# Altium PCB USBC_PD_Development_PCB.PcbDoc (part 3 of 3)
Units mm, origin at the board's own origin, x right, y up, seen from the top; angles counter-clockwise.
Board outline 127.25 x 73.25 mm, 4 copper layers (Top Layer, Layer 1, Layer 2, Bottom Layer), stack 0.603 mm thick; 169 components, 114 nets, 547 pads, 305 vias.
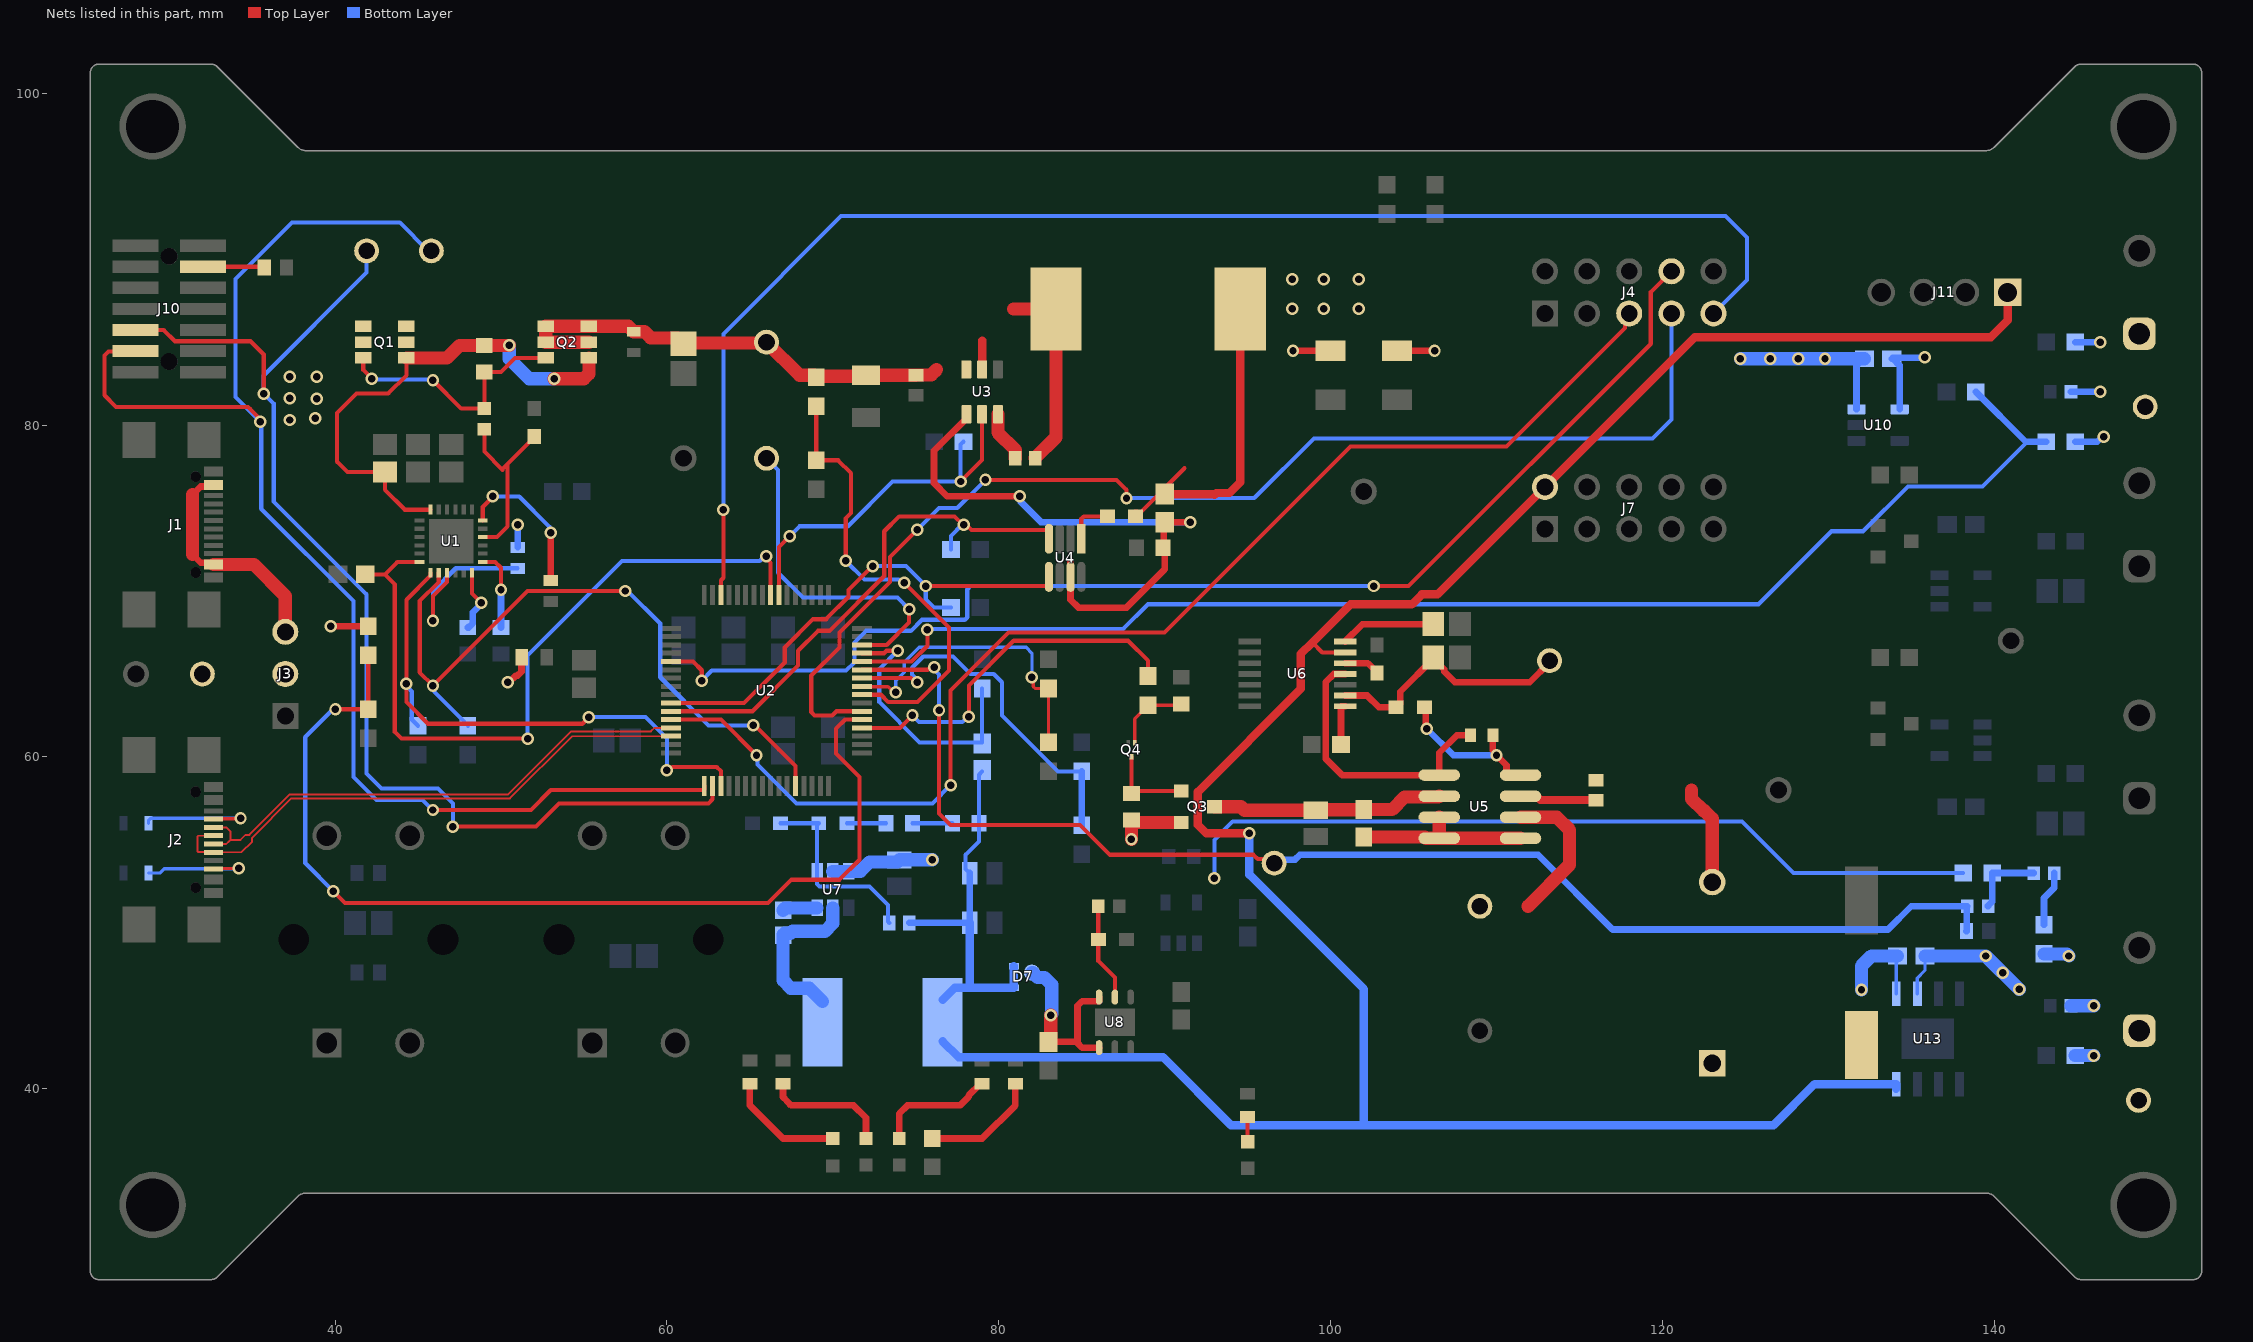
[diagram p5: the nets of this part, all layers, seen from the top]

## Via types
v1: diameter 0.75, hole 0.45, Top Layer to Bottom Layer, tented both sides, 301 vias
v2: diameter 0.5, hole 0.2, Top Layer to Bottom Layer, 2 vias
v3: diameter 0.75, hole 0.45, Top Layer to Bottom Layer, tented bottom, 2 vias

## Nets (pads, with @x,y where several pads share a name; then routed paths per layer and width w, separated by ;. In a path a pad name is that pad's centre, name@x,y a point inside that pad or via, vN(x,y) a via of type N, cw(c..) or ccw(c..) an arc to the next point about the centre after c; other vN are vias at no path point) (continued)
NetC15_1: C15.1 U3.6 | length 3.1
  Top Layer w0.8: U3.6@79.95,80.65 79.95,79.55 81,78.5 C15.1@81,78
NetC21_1: C21.1 U5.3 | length 4.6
  Top Layer w0.5: U5.3@111.45,57.635 112.404,57.635 112.639,57.4 C21.1@116,57.4
NetC24_2: C24.2 R66.2 TP3.1 U6.2 | length 15.6
  Top Layer w0.4: U6.2@100.878,63.7 102.2,63.7 102.9,63 R66.2@103.95,63 104,63 104.2,63.2 104.2,63.925 C24.2@106.2,65.925 ; C24.2@106.2,66 C24.2@106.2,65.925 ; TP3.1@113.2,65.8 113.2,65.7 112,64.5 107.501,64.5 106.85,65.151 106.85,65.275 C24.2@106.2,65.925
NetC25_2: C25.2 U6.7 | length 5.8
  Top Layer w0.4: U6.7@100.878,66.95 101.928,68 C25.2@106.2,68
NetC26_1: C26.1 L3.1 U7.5 | length 9.9
  Bottom Layer w0.8: C26.1@67,49.25 67,46.527 67.469,46.059 68.574,46.059 L3.1@69.38,45.252 ; C26.1@67,49.275 67.1,49.375 67.444,49.375 67.569,49.5 69.531,49.5 70,49.969 U7.5@70,50.901
NetC26_2: C26.2 U7.6 | length 2.1
  Bottom Layer w0.8: C26.2@67,50.75 67,50.775 67.126,50.901 U7.6@69.05,50.901
NetC30_2: C30.2 R33.2 R34.1 U7.1 | length 11.9
  Bottom Layer w0.25: R34.1@66.85,56 69.05,56 R33.2@69.15,56 69.05,55.9 69.05,52.346 69.196,52.2 72.2,52.2 73.321,51.079 73.321,50.079 C30.2@73.4,50
NetD2_1: D2.1 R19.1 | length 7.1
  Top Layer w0.4: R19.1@65,40.3 65,39 67,37 D2.1@70,37
NetD3_2: D3.2 R17.1 | length 7.6
  Top Layer w0.4: R17.1@67,40.3 67,39.5 67.25,39.25 67.25,39.234 67.484,39 71.25,39 72,38.25 D3.2@72,37
NetD4_2: D4.2 R18.1 | length 7.3
  Top Layer w0.4: D4.2@74,37 74,38.5 74.5,39 77.674,39 78.184,39.51 78.184,39.584 78.9,40.3 R18.1@79,40.3
NetD5_1: D5.1 R20.1 | length 7.1
  Top Layer w0.4: D5.1@76,37 79,37 81,39 R20.1@81,40.3
NetD6_1: D6.1 L2.1 U5.2 | length 8.9
  Top Layer w0.8: U5.2@111.45,56.365 113.635,56.365 114.4,55.6 114.4,53.5 111.9,51
NetD8_2: D8.2 R35.1 | length 1.5
  Top Layer w0.25: D8.2@95,36.8 R35.1@95,38.3
NetJ2_A5: J2.A5 R10.1 | length 7.4
  Top Layer w0.2: J2.A5@32.68,56.25 32.705,56.275 34.275,56.275 v1(34.3,56.3)
  Bottom Layer w0.2: R10.1@28.75,56 28.75,56.15 28.9,56.3 v1(34.3,56.3)
NetJ2_B5: J2.B5 R11.1 | length 7.1
  Top Layer w0.2: J2.B5@32.68,53.25 32.705,53.275 34.175,53.275 v1(34.2,53.3)
  Bottom Layer w0.2: R11.1@28.75,53 29.44,53 29.69,53.25 34.15,53.25 v1(34.2,53.3)
NetJ10_11: J10.11 R44.1 | length 3.7
  Top Layer w0.25: J10.11@32.035,89.54 35.685,89.54 R44.1@35.725,89.5
NetQ1_3: Q1.3 Q2.3 R1.1 R3.1 | length 15.3
  Top Layer w0.25: Q1.3@41.7,84.05 41.7,83.325 42.2,82.825 v1(42.2,82.8) ; v1(45.9,82.7) 47.6,81 R3.1@49,81 R1.1@49,83.2 50,83.2 50.85,84.05 Q2.3@52.7,84.05
  Bottom Layer w0.25: v1(42.2,82.8) 42.25,82.75 45.85,82.75 v1(45.9,82.7)
NetQ3_1: Q3.1 Q4.3 R28.1 | length 5.3
  Top Layer w0.25: Q4.3@88,60 R28.1@88,57.8 88.15,57.95 Q3.1@91,57.95
NetQ4_1: Q4.1 R29.1 R30.2 | length 4.6
  Top Layer w0.2: Q4.1@88.19,60.86 88.19,62.29 89,63.1 R29.1@89,63.123 90.923,63.123 R30.2@91,63.2
NetR4_1: R4.1 U1.18 | length 9.2
  Top Layer w0.25: U1.18@48.9,74.25 48.9,75.063 49.5,75.663 v1(49.5,75.7)
  Top Layer w0.4: R4.1@53,70.629 v1(53,73.5)
  Bottom Layer w0.25: v1(49.5,75.7) 51.1,75.7 52.904,73.896 52.904,73.596 v1(53,73.5)
NetR7_2: R7.2 U1.9 | length 10.7
  Top Layer w0.25: v1(45.9,68.2) 45.9,69.7 46.75,70.55 U1.9@46.75,71.1
  Bottom Layer w0.25: v1(45.9,68.2) 45.9,70 47.271,71.371 R7.2@51,71.371
NetR8_2: R8.2 U1.12 | length 3.9
  Top Layer w0.25: U1.12@48.25,71.1 48.25,69.85 v1(48.8,69.3)
  Bottom Layer w0.4: R8.2@48,67.8 48.05,67.8 48.3,68.05 48.3,68.705 48.8,69.205 v1(48.8,69.3)
NetR9_2: R9.2 U1.13 | length 4.8
  Top Layer w0.25: U1.13@48.9,71.75 49.65,71.75 50,71.4 v1(50,70.065)
  Bottom Layer w0.4: R9.2@50,67.8 v1(50,70.065)
NetR25_1: R25.1 U6.1 | length 2.5
  Top Layer w0.4: R25.1@100.627,60.75 100.627,63.025 100.651,63.05 U6.1@100.878,63.05
NetR26_2: R26.2 U5.1 U5.7 U5.8 | length 10.8
  Top Layer w0.8: R26.2@102,55.173 105.672,55.173 105.75,55.095 U5.8@106.55,55.095 ; U5.7@106.55,56.365 U5.8@106.55,55.095 ; U5.1@111.45,55.095 U5.8@106.55,55.095
NetR31_1: R31.1 R32.2 | length 2.4
  Bottom Layer w0.25: R32.2@74.8,56 R31.1@77.2,56
NetR32_1: R32.1 R33.1 | length 2.4
  Bottom Layer w0.25: R33.1@70.85,56 R32.1@73.2,56
NetR36_1: R36.1 R37.1 U8.5 | length 5.9
  Top Layer w0.25: R37.1@86,51 R36.1@86,49 86,47.7 87,46.7 U8.5@87,45.525
NetR45_1: R45.1 R52.1 R53.1 | length 4.6
  Bottom Layer w0.4: R52.1@139.627,51 139.627,51.027 139.877,51.277 R45.1@139.877,53 R53.1@142.373,53
NetR53_2: R53.2 R61.2 | length 3.4
  Bottom Layer w0.4: R61.2@143,49.877 143,51.5 143.627,52.127 R53.2@143.627,53
NetR68_1: R68.1 U6.5 | length 2.2
  Top Layer w0.4: U6.5@100.878,65.65 102.25,65.65 102.8,65.1 R68.1@102.8,65.05
PD_SCL: R15.1 U1.7 U2.51 | length 34.4
  Top Layer w0.25: U1.7@45.75,71.1 45.75,70.925 44.3,69.475 v1(44.3,64.4) 44.3,63.3 45.6,62 54.9,62 v1(55.3,62.4) ; v1(60,59.2) 60.135,59.2 60.335,59.4 63,59.4 63.25,59.15 U2.51@63.25,58.25
  Bottom Layer w0.25: v1(44.3,64.4) 44.3,64.265 44.619,63.946 44.619,62.258 R15.1@45,61.877 ; v1(55.3,62.4) 58.7,62.4 60,61.1 v1(60,59.2)
PD_SDA: R16.1 U1.8 U2.60 | length 42.6
  Top Layer w0.25: U1.8@46.25,71.1 46.25,70.545 45.1,69.395 45.1,65.1 v1(45.9,64.3) 51.6,70 v1(57.5,70) ; v1(65.2,61.9) 65.3,61.9 66.773,60.427 67.75,59.45 U2.60@67.75,58.25
  Bottom Layer w0.25: v1(45.9,64.3) 45.996,64.204 45.996,63.904 48,61.9 R16.1@48,61.877 ; v1(57.5,70) 57.635,70 59.6,68.035 59.6,64.8 62.5,61.9 v1(65.2,61.9)
RESET: R6.1 U1.6 U2.24 | length 45.8
  Top Layer w0.25: R6.1@41.815,71 43,71 ; U1.6@45.1,71.75 44.852,71.75 43.75,71.75 43,71 ; v1(51.6,61.1) 44,61.1 43.6,61.5 43.6,70.4 43,71 ; v1(65.991,72.1) 65.991,71.965 66.25,71.706 U2.24@66.25,69.75
  Bottom Layer w0.25: v1(51.6,61.1) 51.6,66.1 57.3,71.8 65.595,71.8 65.895,72.1 v1(65.991,72.1)
RS+: C21.2 C23.1 D6.2 R62.1 R66.1 R67.2 U5.4 U13.1 | length 24
  Top Layer w0.4: R66.1@105.65,63 105.733,62.917 105.733,61.767 v1(105.8,61.7) ; R67.2@109.777,61.3 109.777,60.418 110,60.195 v1@110,60.01 ; v1(110,60.1) 110.601,59.499 110.601,59.044 110.739,58.905 U5.4@111.45,58.905
  Top Layer w0.8: 121.75,58 121.75,57.482 122.482,56.75 122.531,56.75 123,56.281 D6.2@123,52.456 ; C23.1@131.4,44.3 132,43.7 C23.1@132,42.65
  Bottom Layer w0.2: U13.1@134.095,45.724 134.095,47.922 R62.1@134.173,48
  Bottom Layer w0.4: v1(105.8,61.7) 107.4,60.1 v1(110,60.1)
  Bottom Layer w0.8: v1(132,45.965) 132,47.4 132.6,48 R62.1@134.173,48
RS-: C35.1 J5.1 R38.1 R61.1 R62.2 TP5.1 U13.2 | length 13
  Bottom Layer w0.2: U13.2@135.365,45.724 135.365,46.665 135.827,47.127 R62.2@135.827,48
  Bottom Layer w0.8: R62.2@135.827,48 v1(139.5,48) v1(141.5,46) ; R61.1@143,48.123 144.377,48.123 v1(144.5,48) ; C35.1@144.627,45 v1(146,45) ; R38.1@144.877,42 v1(146,42)
  other v1: 140.5,47
SPI_CLK_EXT: J4.7 U2.6 | length 72.7
  Top Layer w0.25: U2.6@71.75,62.75 70.212,62.75 69.962,62.5 68.9,62.5 68.7,62.7 68.7,64.9 70.4,66.6 70.4,67.5 73.45,70.55 73.45,72.05 v1(75.1,73.7) ; v1(79.2,76.7) 87.1,76.7 87.7,76.1 v1(87.7,75.6)
  Bottom Layer w0.25: v1(75.1,73.7) 76.4,75 77.5,75 v1(79.2,76.7) ; v1(87.7,75.6) 95.4,75.6 99,79.2 119.4,79.2 120.54,80.34 J4.7@120.54,86.73
SPI_MISO_EXT: J4.5 U2.44 | length 76.1
  Top Layer w0.25: U2.44@60.25,62.25 63.25,62.25 v1(65.4,60.1) ; v1(77.1,58.3) 77.1,64 80.6,67.5 90,67.5 101.2,78.7 110.6,78.7 117.747,85.847 117.747,86.477 J4.5@118,86.73
  Bottom Layer w0.25: v1(65.4,60.1) 65.45,60.05 65.45,59.55 67.8,57.2 76,57.2 v1(77.1,58.3)
SPI_MOSI_EXT: J4.8 U2.37 | length 74.9
  Top Layer w0.25: U2.37@60.25,65.75 61.573,65.75 62.1,65.223 v1(62.1,64.6) ; v1(102.6,70.3) 104.7,70.3 119.3,84.9 119.3,88.03 J4.8@120.54,89.27
  Bottom Layer w0.25: v1@62.115,64.615 62.7,65.2 70.8,65.2 71.3,65.7 71.3,66.9 72,67.6 74.7,67.6 75.369,68.269 77.954,68.269 78.1,68.415 78.1,70.1 78.3,70.3 v1(102.6,70.3)
SPI_SS_EXT: J4.9 U2.30 | length 86.4
  Top Layer w0.25: U2.30@63.25,69.75 63.25,70.65 63.4,70.8 v1(63.4,74.9)
  Bottom Layer w0.25: v1(63.4,74.9) 63.4,85.5 70.5,92.6 123.8,92.6 125.1,91.3 125.1,88.75 J4.9@123.08,86.73
SWCLK: J10.6 TP8.1 U2.50 | length 71.8
  Top Layer w0.25: J10.6@27.965,85.73 29.67,85.73 30.345,85.055 34.899,85.055 35.7,84.254 v1(35.7,81.9) ; v1(47.1,55.8) 52.1,55.8 53.5,57.2 62.5,57.2 62.75,57.45 U2.50@62.75,58.25
  Bottom Layer w0.25: TP8.1@41.9,90.5 41.9,89.2 35.7,83 v1(35.7,81.9) 36.3,81.3 36.3,75.4 41.9,69.8 41.9,59 42.8,58.1 46.2,58.1 47.1,57.2 v1(47.1,55.8)
SWDIO: J10.4 TP7.1 U2.49 | length 84.1
  Top Layer w0.25: J10.4@27.965,84.46 27.946,84.441 26.341,84.441 26.1,84.2 26.1,81.8 26.8,81.1 34.754,81.1 34.9,80.954 34.9,80.935 35.5,80.335 v1(35.5,80.2) ; v1(45.9,56.8) 51.8,56.8 53,58 62.225,58 62.25,58.025 U2.49@62.25,58.25
  Bottom Layer w0.25: TP7.1@45.8,90.5 45.6,90.5 43.9,92.2 37.4,92.2 34,88.8 34,81.7 v1(35.5,80.2) 35.545,80.155 35.545,74.955 41.1,69.4 41.1,58.8 42.5,57.4 45.263,57.4 45.863,56.8 v1(45.9,56.8)
USB_VIN: J1.A4-B9 J1.B4-A9 J3.3 | length 13.9
  Top Layer w0.4: 31.4,72.2 31.9,71.7 32.58,71.7 J1.B4-A9@32.68,71.6 ; 31.4,75.8 31.9,76.3 32.58,76.3 J1.A4-B9@32.68,76.4
  Top Layer w0.8: 31.4,72.2 31.4,75.8 ; J1.B4-A9@32.68,71.6 35.1,71.6 37,69.7 J3.3@37,67.54
USBD_N: J2.A7 J2.B7 U2.45 | length 32.1
  Top Layer w0.111: J2.A7@32.68,54.75 33.43,54.75 33.58,54.9 33.6,54.9 33.7,55 ; J2.B7@32.68,55.75 33.45,55.75 33.7,55.5 33.7,55 ; U2.45@60.25,61.75 59.25,61.75 59.038,61.538 54.238,61.538 50.438,57.738 37.27,57.738 34.832,55.3 34.6,55.3 34.3,55 33.7,55
USBD_P: J2.A6 J2.B6 U2.46 | length 33.5
  Top Layer w0.111: J2.A6@32.68,55.25 31.765,55.25 31.7,55.185 31.7,54.326 31.765,54.261 32.669,54.261 J2.B6@32.68,54.25 34.35,54.25 35,54.9 35,55.132 37.368,57.5 50.536,57.5 54.286,61.25 U2.46@60.25,61.25
V_SYS: C1.1 C18.1 C19.1 C27.1 D1.1 Q2.1 Q2.2 Q2.5 Q2.6 Q3.2 R7.1 R28.2 R45.2 R47.1 TP1.1 U3.3 U7.2 U7.3 | length 89.7
  Top Layer w0.8: Q2.5@55.3,85 Q2.2@52.7,85 Q2.1@52.7,85.95 Q2.6@55.3,85.95 57.675,85.95 D1.1@58,85.625 58.65,85.625 59.025,85.25 60.65,85.25 C1.1@61,84.9 61.05,84.95 65.95,84.95 TP1.1@66,85 67.994,83.006 68.894,83.006 69,82.9 R47.1@69,82.877 69.062,82.938 71.938,82.938 C18.1@72,83 C19.1@75,83 75.025,83.025 75.925,83.025 76.25,83.35 ; v1(88,55.025) R28.2@88,56.2 88.05,56.2 88.2,56.05 Q3.2@91,56.05
  Bottom Layer w0.25: v1(93,52.7) 93,55 94.1,56.1 124.8,56.1 127.9,53 R45.2@138.123,53
  Bottom Layer w0.4: R7.1@51,72.629 v1(51,74) ; C27.1@74.01,53.8 C27.1@74.015,53.795 ; v1@75.995,53.795 v1(76,53.8)
  Bottom Layer w0.8: U7.2@70,53.1 U7.3@70.95,53.1 71.65,53.1 72.221,53.67 73.88,53.67 C27.1@74,53.79 ; C27.1@74.015,53.795 v1@75.995,53.795
V_USB: J3.2 Q1.1 Q1.2 Q1.5 Q1.6 R5.2 R46.1 TP2.1 | length 4.2
  Top Layer w0.4: v1(39.735,67.877) R46.1@42,67.877 ; v1(50.4,64.5) 50.495,64.5 50.895,64.9 51,64.9 51.234,65.134 51.234,65.984 R5.2@51.25,66
  other v1: 37.27,80.307 38.8,80.4 37.27,81.607 38.9,81.6 37.27,82.907 38.9,82.9
VDD_CTRLR: C3.1 Q1.4 Q2.4 R1.2 U1.24 | length 30.2
  Top Layer w0.25: Q1.4@44.3,84.05 44.3,83 43.2,81.9 41.3,81.9 40.125,80.725 40.125,77.794 40.744,77.175 C3.1@43,77.175 43,76.1 44.2,74.9 U1.24@45.75,74.9
  Top Layer w0.8: Q1.4@44.3,84.05 46.75,84.05 47.5,84.8 R1.2@49,84.8 v1(50.5,84.8) ; v1(53.2,82.8) 55,82.8 55.3,83.1 Q2.4@55.3,84.05
  Bottom Layer w0.8: v1(50.5,84.8) 50.5,84 51.7,82.8 v1(53.2,82.8)
VIN_N: C22.1 Q3.3 R26.1 U5.6 | length 14
  Top Layer w0.8: Q3.3@93,57 94.6,57 94.81,56.79 C22.1@99.1,56.79 99.118,56.808 101.982,56.808 R26.1@102,56.827 103.706,56.827 104.464,57.585 106.5,57.585 U5.6@106.55,57.635
VL_SW: C28.1 C29.1 C30.1 D7.1 D7.2 J7.2 J11.1 L3.2 R31.2 R51.1 U6.6 U13.8 | length 175.7
  Top Layer w0.25: 98.9,66.9 99.5,66.3 U6.6@100.878,66.3
  Top Layer w0.5: v1(95.1,55.4) 92.5,55.4 92,55.9 92,57.9 98.2,64.1 98.2,66.2 98.9,66.9 101.2,69.2 104.9,69.2 105.5,69.8 106.45,69.8 J7.2@112.92,76.27 121.95,85.3 139.8,85.3 140.81,86.31 J11.1@140.81,88
  Bottom Layer w0.25: C29.1@78.25,53 78,53.25 78,54.1 78.8,54.9 R31.2@78.8,56 78.8,58.923 R51.1@79,59.123
  Bottom Layer w0.4: C30.1@74.6,50 C28.1@78.25,50 C29.1@78.25,53
  Bottom Layer w0.5: L3.2@76.619,42.857 77.576,41.9 89.9,41.9 94,37.8 102,37.8 ; L3.2@76.619,45.361 77.353,46.094 78.25,46.094 ; C28.1@78.25,50 78.25,46.094 ; D7.2@80.906,47.394 D7.1@80.906,46.094 78.25,46.094 ; v1(95.1,55.4) 95.1,52.9 102,46 102,37.8 ; U13.8@134.095,40.276 134.095,40.017 134.078,40 134.078,40.276 129.176,40.276 126.7,37.8 102,37.8
VL_SW_LL: C31.1 D7.3 U8.1 U8.6 | length 12.1
  Top Layer w0.4: C31.1@83,42.826 84.674,42.826 84.75,42.75 ; U8.1@86.05,42.475 85.025,42.475 84.75,42.75 ; U8.6@86.05,45.525 86.05,45.275 85.025,45.275 84.75,45 84.75,42.75
  Top Layer w0.8: C31.1@83,42.826 83.134,42.96 v1(83.134,44.434)
  Bottom Layer w0.8: D7.3@82,47 82.048,47 82.348,46.7 82.762,46.7 83.2,46.262 83.2,44.5 v1(83.134,44.434)
VM_0: R46.2 R55.2 U2.5 | length 61.1
  Top Layer w0.25: v1(39.9,51.9) 40.6,51.2 66.1,51.2 67.5,52.6 70.4,52.6 71.6,53.8 71.6,58.8 70.2,60.2 70.2,61.7 70.75,62.25 U2.5@71.75,62.25 ; v1(40.023,62.877) R55.2@42,62.877 R46.2@42,66.123
  Bottom Layer w0.25: v1(39.9,51.9) 38.2,53.6 38.2,61.189 39.888,62.877 v1(40.023,62.877)
VM_1: R47.2 R56.2 U2.8 | length 27.8
  Top Layer w0.25: R47.2@69,81.123 R56.2@69,77.877 70.323,77.877 71.1,77.1 71.1,74.692 70.776,74.368 v1(70.776,71.824) ; U2.8@71.75,63.75 72.887,63.75 73.337,63.3 75.1,63.3 77,65.2 77,67.8 v1(74.3,70.5)
  Bottom Layer w0.25: v1(70.776,71.824) 71.9,70.7 73.965,70.7 74.165,70.5 v1(74.3,70.5)
VM_2: R48.1 R57.2 U2.9 | length 18.7
  Top Layer w0.2: U2.9@71.75,64.25 71.775,64.225 73.326,64.225 73.651,63.9 v1(73.8,63.9) ; v1(82,64.8) 82.077,64.723 82.077,64.24 82.194,64.123 R57.2@83,64.123 R48.1@83,60.877
  Bottom Layer w0.2: v1(73.8,63.9) 73.8,64.6 74.3,65.1 74.3,65.7 75.206,66.606 81.652,66.606 82,66.258 v1(82,64.8)
VM_3: R49.1 R58.2 U2.10 | length 22.3
  Top Layer w0.25: U2.10@71.75,64.75 74.715,64.75 74.965,64.5 v1(75.1,64.5)
  Bottom Layer w0.25: v1(75.1,64.5) 75.1,64.635 74.775,64.96 74.775,65.375 75.45,66.05 77.25,66.05 78.3,65 79.7,65 80.2,64.5 80.2,62.5 83.577,59.123 R58.2@85,59.123
  Bottom Layer w0.4: R49.1@85,55.877 R58.2@85,59.123
VM_4: R52.2 R54.2 TP9.1 U2.11 | length 80.7
  Top Layer w0.25: U2.11@71.75,65.25 75.704,65.25 75.758,65.304 76.004,65.304 v1(76.1,65.4) ; v1(76.4,62.8) 76.4,56.6 77.1,55.9 84.9,55.9 86.7,54.1 95.35,54.1 95.611,53.839 96.361,53.839 TP9.1@96.6,53.6
  Bottom Layer w0.25: v1(76.1,65.4) 76.1,65.265 76.4,64.965 v1(76.4,62.8)
  Bottom Layer w0.4: TP9.1@96.6,53.6 96.81,53.81 97.86,53.81 98.15,54.1 112.5,54.1 117,49.6 133.6,49.6 135,51 R52.2@138.373,51 138.349,50.976 138.349,49.524 R54.2@138.325,49.5
VM_5: R50.2 R59.2 U2.12 | length 81.8
  Top Layer w0.25: U2.12@71.75,65.75 74.75,65.75 75.7,66.7 v1(75.7,67.669)
  Bottom Layer w0.25: v1(75.7,67.669) 75.731,67.7 87.5,67.7 89,69.2 125.8,69.2 130.2,73.6 132.1,73.6 134.8,76.3 139.3,76.3 142,79 141.9,79
  Bottom Layer w0.4: R59.2@138.877,82 138.9,82 141.9,79 ; 142,79 R50.2@143.123,79
VM_6: R51.2 R60.2 U2.13 | length 16.2
  Top Layer w0.25: U2.13@71.75,66.25 73.081,66.25 73.231,66.4 v1(73.9,66.4)
  Bottom Layer w0.25: v1(73.9,66.4) 72.8,65.3 72.8,63.3 75.223,60.877 79,60.877 R60.2@79,64.123
VM_7: TP4.1 U2.14 | length 20.2
  Top Layer w0.25: U2.14@71.75,66.75 73.25,66.75 74.6,68.1 v1(74.6,68.9)
  Bottom Layer w0.25: TP4.1@66,78 66.7,77.3 66.7,71.1 68.2,69.6 73.9,69.6 v1(74.6,68.9)
VN0_ADJ_A: R67.1 U5.5 U6.4 | length 16.9
  Top Layer w0.4: U6.4@100.878,65 100.2,65 99.703,64.503 99.703,59.897 100.695,58.905 U5.5@106.55,58.905 106.55,60.25 107.6,61.3 R67.1@108.423,61.3
VN_ENABLE: R29.2 U2.4 | length 22.3
  Top Layer w0.25: U2.4@71.75,61.75 74.05,61.75 v1(74.8,62.5) ; v1(78.2,62.433) 78.2,64.3 80.9,67 87.8,67 89,65.8 R29.2@89,64.877
  Bottom Layer w0.25: v1(74.8,62.5) 75.199,62.101 77.804,62.101 78.136,62.433 v1(78.2,62.433)
VOUT_P: C16.1 C17.1 C20.2 L1.2 R27.2 R63.1 U10.3 | length 34.7
  Top Layer w0.25: R27.2@88.3,74.5 91.2,77.4
  Top Layer w0.4: v1(97.735,84.475) C16.1@100,84.475 ; C17.1@104,84.475 v1(106.265,84.475)
  Top Layer w0.5: C20.2@90.025,75.825 92.975,75.825 93,75.8 93.105,75.905 93.905,75.905 94.55,76.55 L1.2@94.55,87
  Top Layer w0.8: R27.2@88.25,74.5 R27.2@88.3,74.5
  Bottom Layer w0.4: U10.3@131.7,80.95 131.7,83.6 R63.1@132.1,84
  Bottom Layer w0.8: v1(124.7,84) v1(129.8,84) R63.1@132.173,84
  other v1: 126.5,84 128.2,84 97.7,87 99.6,87 101.7,87 97.7,88.8 99.6,88.8 101.7,88.8
VOUT_P_EXT: C36.1 J6.1 R39.1 R50.1 R63.2 TP6.1 U10.4 | length 10.4
  Bottom Layer w0.4: U10.4@134.3,80.95 134.3,83.6 133.9,84 R63.2@133.827,84 133.877,84.05 135.75,84.05 v1(135.8,84.1) ; C36.1@144.627,82 v1(146.4,82) ; R50.1@144.877,79 146.205,79 146.505,79.3 v1(146.6,79.3) ; R39.1@144.877,85 v1(146.4,85)
VP_ADJ_A: R27.1 U4.1 | length 2.8
  Top Layer w0.25: U4.1@84.975,73.15 84.975,74.354 85.121,74.5 R27.1@86.5,74.5
VP_ADJ_B: C20.1 R23.2 U3.4 U4.7 | length 35.1
  Top Layer w0.4: U3.4@78.05,80.65 78.05,80.4 76.1,78.45 76.1,76.5 76.9,75.7 v1(81.269,75.7) ; U4.7@84.307,71.739 84.307,70.868 U4.7@84.325,70.85 84.325,69.475 84.8,69 87.7,69 90,71.3 90,72.5 R23.2@89.9,72.6 89.95,72.65 89.95,74.1 C20.1@90,74.15 v1(91.55,74.15)
  Bottom Layer w0.4: v1(81.269,75.7) 81.336,75.633 81.336,75.364 82.55,74.15 v1(91.55,74.15)
VP_Enable: R24.2 U2.23 U3.5 | length 22.5
  Top Layer w0.25: U2.23@66.75,69.75 66.75,72.65 v1(67.4,73.3) ; v1(77.7,76.6) 79,77.9 U3.5@79,80.65
  Bottom Layer w0.25: v1(67.4,73.3) 68,73.9 70.9,73.9 73.6,76.6 v1(77.7,76.6) 77.7,78.823 R24.2@77.877,79
VP_SCL: R14.1 U2.43 U4.4 | length 32.4
  Top Layer w0.25: U2.43@60.25,62.75 62.55,62.75 65.15,62.75 67.9,65.5 67.9,66.4 69.1,67.6 69.8,67.6 73.1,70.9 73.1,73.6 74,74.5 77.339,74.5 77.839,74 78.035,74 78.355,73.681 82.912,73.681 83.025,73.567 U4.4@83.025,73.15
  Bottom Layer w0.25: R14.1@77.123,72.5 77.123,73.323 77.8,74 v1(77.9,74)
VP_SDA: R13.1 U2.42 U4.5 | length 30.4
  Top Layer w0.25: U2.42@60.25,63.25 64.65,63.25 67.1,65.7 67.1,66.6 68.8,68.3 69.6,68.3 70.952,69.652 70.952,70.052 v1(72.4,71.5) ; v1(75.6,70.3) 75.61,70.31 82.912,70.31 83.025,70.423 U4.5@83.025,70.85
  Bottom Layer w0.25: v1(72.4,71.5) 74.4,71.5 v1@75.55,70.35 ; v1(75.6,70.3) 75.6,69.5 76.1,69 R13.1@77.123,69
VP_SW: C15.2 L1.1 U3.2 | length 13.8
  Top Layer w0.5: U3.2@79,83.35 79,85.1
  Top Layer w0.8: 80.9,87 L1.1@83.45,87 83.45,79.275 82.2,78.025 C15.2@82.2,78
VSNK_EN: R2.2 R3.2 U1.16 | length 11.2
  Top Layer w0.25: U1.16@48.9,73.25 49.75,73.25 50.4,73.9 50.4,77.65 ; R3.2@49,79.746 49,78.4 50.1,77.3 50.1,77.35 50.4,77.65 ; R2.2@52,79.3 52,79.25 50.4,77.65
pads on no net: J1. J1.A6 J1.A7 J1.A8 J1.B6 J1.B7 J1.B8 J2. J2.A8 J2.B8 J4.4 J4.6 J10. J10.1 J10.2 J10.8 J10.9 J10.10 J10.13 J10.14 SW1.MH1 SW1.MH2 SW2.MH1 SW2.MH2 U1.11 U1.14 U1.15 U1.17 U1.20 U4.8 U6.3 U8.3 U9.4 U13.6

## Polygon pours and split planes (outlines as drawn)
RS+ on Top Layer "RS+_L01_P002" (solid, pour order 2): 112,59.25 114,59.25 115,60.25 124,60.25 125.75,58.5 125.75,52.5 131.25,47 132.75,47 133.5,46.25 133.5,40.5 132.75,39.75 125.25,39.75 124.25,40.75 124.25,49.5 122,51.75 122,56.5 120.25,58.25 112.75,58.25 112,59
V_USB on Top Layer "V_USB_L01_P003" (solid, pour order 3): 41.5,84.6 45.1,84.6 45.4,84.9 45.4,86.4 44.6,87.2 38.3,87.2 36.5,85.4 36.5,79.5 37.5,78.5 38.8,78.5 39.7,79.4 39.7,82.8
VOUT_P on Top Layer "VOUT_P_L01_P006" (solid, pour order 6): 89.4,75.2 95.2,75.2 96.6,76.6 96.6,85.5 97,85.9 102.4,85.9 103.1,86.6 103.1,89.9 102,91 91.1,91 89.65,89.55
VP_SW on Top Layer "VP_SW_L01_P005" (solid, pour order 5): 78.7,83.5 78.7,89 80.4,90.7 86.3,90.7 87,90 87,77.4 86.7,77.1 82.2,77.1 81.7,77.6 81.7,83.9 81.3,84.3 79.7,84.3 79.3,83.9 79.3,83.5
V_SYS on Top Layer "V_SYS_L01_P004" (solid, pour order 4): 78.1,82.2 78.4,82.5 78.4,89 73.9,93.5 52.5,93.5 49.8,90.8 49.8,87.7 51.7,85.8 51.7,84.8 52,84.5 56.7,84.5 57.1,84.9 58.7,84.9 59.5,84.1 64.1,84.1 66,82.2
NetD6_1 on Top Layer "NETD6_1_L01_P000" (solid, pour order 0): 123.75,40.75 116.5,40.75 107.75,49.5 107.75,52 109.5,53.75 112.75,53.75 113.25,54.25 113.25,55.75 112.75,56.25 112.75,56.75 121,56.75 121.75,56 121.75,50 123.25,50 123.75,49.5
VL_SW on Bottom Layer "VL_SW_L04_P012" (solid, pour order 12): 79.6,59.6 78.2,59.6 78.2,55 76.9,53.7 76.9,41.2 77.8,40.3 85.2,40.3 86.3,41.4 86.3,42.3 84.8,43.8 82.3,43.8 81.3,44.8 81.3,49 80.9,49.4 79.2,49.4 79.2,53.5 79.6,53.9
NetC26_1 on Bottom Layer "NETC26_1_L04_P011" (solid, pour order 11): 70.3,50.9 70.3,47.7 71.4,46.6 71.4,41.1 70.9,40.6 68.2,40.6 66.5,42.3 66.5,50.2 69.4,50.2 69.7,50.9
VL_SW on Bottom Layer "VL_SW_L04_P013" (solid, pour order 13): 83.2,42.3 88.6,36.9 132,36.9 134.6,39.5 134.6,41 134.3,41.3 128.633,41.3 128.574,40.043 120.2,40.081 120.2,42.3
+2v5_EXT on Bottom Layer "+2V5_EXT_L04_P010" (solid, pour order 10): 147.4,54.4 150,57 150,58.9 148.4,60.5 144.3,60.5 143.8,60 143.8,56.2 137.6,56.2 137,55.6 137,54.8 137.4,54.4
VOUT_P_EXT on Bottom Layer "VOUT_P_EXT_L04_P009" (solid, pour order 9): 133.2,84.5 143.8,84.4 143.8,85.8 145.3,87.3 150,87.3 151.3,86 151.3,81.2 148,77.9 143.8,77.9 143.8,82.8 133.4,82.8 133.2,83
+3v3_EXT on Bottom Layer "+3V3_EXT_L04_P008" (solid, pour order 8): 149,68.7 150.4,70.1 150.4,73.5 148.8,75.1 138.8,75.1 138.1,74.4 138.1,71 139.1,70 144.1,70.106 144.1,68.7
RS- on Bottom Layer "RS-_L04_P007" (solid, pour order 7): 144.4,41.5 149.6,41.5 150.4,42.3 150.4,44.9 149,46.3 142.8,46.3 140.3,48.8 135.3,48.8 135.3,47.5 135.4,47.4 138.5,47.4 141,44.9 144.4,44.9
GND on Layer 1 (split plane): 151.99,29.01 145.211,29.01 145.211,29.011 140.361,33.861 140.351,33.869 140.259,33.951 140.148,34.03 140.028,34.096 139.902,34.149 139.771,34.186 139.636,34.209 139.513,34.216 139.5,34.217 38.25,34.218 38.237,34.216 38.114,34.209 37.979,34.187 37.848,34.149 37.722,34.096 37.603,34.03 37.491,33.952 37.399,33.869 37.389,33.861 32.54,29.012 32.54,29.011 32.539,29.011 32.539,29.01 25.76,29.01 25.76,101.24 32.539,101.24 32.539,101.239 37.389,96.389 37.399,96.381 37.491,96.299 37.602,96.22 37.722,96.154 37.848,96.101 37.979,96.064 38.114,96.041 38.237,96.034 38.25,96.033 139.5,96.032 139.513,96.034 139.636,96.041 139.771,96.063 139.902,96.101 140.028,96.154 140.147,96.22 140.259,96.298 140.351,96.381 140.361,96.389 145.211,101.239 145.211,101.24 151.99,101.24
V_SYS on Layer 2 (split plane): 78.248,84.896 78.248,64.5 78.256,64.435 78.282,64.374 78.322,64.322 82.322,60.322 82.344,60.304 82.374,60.282 82.435,60.256 82.5,60.248 92.396,60.248 93.748,58.896 93.748,50.104 92.396,48.752 78.804,48.752 75.052,52.504 75.052,61.2 75.044,61.265 75.018,61.326 74.978,61.378 64.178,72.178 64.126,72.218 64.065,72.244 64,72.252 50.604,72.252 47.252,75.604 47.252,85.396 49.604,87.748 75.396,87.748
+3v3 on Layer 2 (split plane): 156 vertices, not listed, extent 25.76,29.01 151.99,101.24
V_USB on Layer 2 (split plane): 46.748,75.5 46.756,75.435 46.782,75.374 46.822,75.322 50.322,71.822 50.344,71.804 50.374,71.782 50.435,71.756 50.5,71.748 52.248,71.748 52.248,65.104 46.896,59.752 25.76,59.752 25.76,81.248 34.5,81.248 34.565,81.256 34.626,81.282 34.678,81.322 38.604,85.248 46.748,85.248
VOUT_P on Layer 2 (split plane): 133.248,96.032 133.248,78.252 129.5,78.252 129.435,78.244 129.392,78.226 129.374,78.218 129.351,78.201 129.322,78.178 126.896,75.752 89.604,75.752 85.252,80.104 85.252,96.032
RS+ on Layer 2 (split plane): 130.322,61.822 130.344,61.804 130.374,61.782 130.435,61.756 130.5,61.748 135.748,61.748 135.748,55.5 135.756,55.435 135.782,55.374 135.822,55.322 136.748,54.396 136.748,53 136.748,44.5 136.756,44.435 136.782,44.374 136.822,44.322 142.391,38.752 131.604,38.752 120.178,50.178 114.178,56.178 114.126,56.218 114.065,56.244 114,56.252 105.104,56.252 99.252,62.104 99.252,66.896 100.604,68.248 123.896,68.248
RS- on Layer 2 (split plane): 151.99,38.752 143.104,38.752 137.252,44.604 137.252,53 137.252,54.248 151.99,54.248
VOUT_P_EXT on Layer 2 (split plane): 151.99,81.846 148.396,78.252 133.752,78.252 133.752,96.032 139.5,96.032 139.513,96.034 139.636,96.041 139.771,96.063 139.902,96.101 140.028,96.154 140.147,96.22 140.259,96.298 140.351,96.381 140.361,96.389 145.211,101.239 145.211,101.24 151.99,101.24
+2v5_EXT on Layer 2 (split plane): 151.99,54.752 137.104,54.752 136.252,55.604 136.252,68.248 151.99,68.248
+3v3_EXT on Layer 2 (split plane): 151.99,68.752 136.104,68.752 133.752,71.104 133.752,77.748 148.5,77.748 148.565,77.756 148.626,77.782 148.678,77.822 151.99,81.133

## Other copper
Top Layer:
  text "USBC Power Supply v1" at 28.1,37.421 h2
  text "April 2026" at 37.899,35.813 h1.5
Layer 2 (plane layer: these items are gaps in the copper):
  lines w0.5: 25,59.5 47,59.5 52.5,65 52.5,72 ; 25.5,81.5 34.5,81.5 38.5,85.5 46.5,85.5 47,85.5 ; 85,96.5 85,80 89.5,75.5 127,75.5 129.5,78 148.5,78 152.5,82 ; 133.5,96.5 133.5,78 133.5,71 136,68.5 ; 136,62 130.5,62 124,68.5 100.5,68.5 99,67 99,62 105,56 114,56 120,50 131.5,38.5 143,38.5 ; 152.5,38.5 143,38.5 ; 152.5,54.5 137,54.5 ; 152.5,68.5 136,68.5 ; 47,85.5 49.5,88 75.5,88 78.5,85 78.5,64.5 82.5,60.5 92.5,60.5 94,59 94,50 92.5,48.5 78.7,48.5 74.8,52.4 74.8,61.2 64,72 50.5,72 47,75.5 47,85.5 ; 136,68.5 136,55.5 137,54.5 ; 137,54.5 137,53 137,44.5 143,38.5

## Silkscreen, mask and mechanical layers (free items; w line width, h text height)
Top Overlay:
  text "GND" at 31.2,96.205 h1.5
  text "GND" at 144.2,96.205 h1.5
  text "SWCLK" at 39.701,93.805 h1.5
  text "SWDIO" at 44.101,93.805 h1.5
  text "ST-Link Programmer" at 28.701,92.715 h1.5
  text "GND" at 142.1,92.305 h1.5
  text "RX" at 138.895,91.601 h1.5 r90
  text "5V" at 141.188,91.6 h1.5 r90
  text "GND" at 133.595,91.5 h1.5 r90
  text "TX" at 136.295,91.5 h1.5 r90
  text "I2C/SPI" at 103.301,88.764 h1.5
  text "VSYS" at 65.1,88.505 h1.5
  text "VOUT_P" at 140,83.08 h1.5
  text "VOUT_P" at 143.2,80.08 h1.5
  text "Extra" at 104.501,76.912 h1.5
  text "GPIO" at 104.4,75.605 h1.5
  text "GND" at 59.7,75.205 h1.5
  text "ADC7" at 64.5,75.205 h1.5
  text "USB_POWER" at 33.901,74.38 h1.5
  text "GND" at 98.1,73.705 h1.5
  text "GND" at 141.6,73.305 h1.5
  text "3v3" at 142.001,71.505 h1.5
  text "NDAC VSS" at 115.101,65.005 h1.5
  text "GND" at 139.8,64.305 h1.5
  text "GND" at 30.195,61.8 h1.5 r90
  text "V_USB" at 34.52,61.6 h1.5 r90
  text "GND" at 141.9,59.805 h1.5
  text "2v5" at 142.101,58.205 h1.5
  text "GND" at 128.7,55.605 h1.5
  text "VN_SW" at 119.5,55.18 h1.5
  text "VM4" at 95.6,49.805 h1.5
  text "GND" at 141.5,46.405 h1.5
  text "USB_COM" at 26.401,45.68 h1.5
  text "VOUT_N" at 140.5,44.78 h1.5
  text "RESET" at 56.501,40.705 h1.5
  text "BOOT0" at 40.401,40.605 h1.5
  text "LED2" at 70.501,39.501 h1.5 r90
  text "LED0" at 72.495,39.501 h1.5 r90
  text "LED1" at 74.504,39.501 h1.5 r90
  text "LED3" at 76.495,39.501 h1.5 r90
  text "VOUT_N" at 143.8,36.78 h1.5
  text "3v3 OK" at 98.001,34.805 h1.5
  text "GND" at 31.4,31.505 h1.5
  text "GND" at 144.1,31.305 h1.5
Bottom Overlay:
  text "SPI_MOSI" at 120.92,95.999 h1.5 r90
  text "SWCLK" at 43.599,93.505 h1.5
  text "SWDIO" at 47.899,93.505 h1.5
  text "GND" at 113.295,93.5 h1.5 r90
  text "GND" at 123.495,93.5 h1.5 r90
  text "NC" at 115.895,92.499 h1.5 r90
  text "NC" at 118.395,92.499 h1.5 r90
  text "HMI" at 138.299,92.405 h1.5
  text "GND" at 151.5,92.305 h1.5
  text "TX" at 136.4,90.505 h1.5
  text "5V" at 141.4,90.412 h1.5
  text "GND" at 134.1,90.405 h1.5
  text "RX" at 138.999,90.405 h1.5
  text "VSYS" at 67.4,86.705 h1.5
  text "SPI_MISO" at 117.52,85.699 h1.5 r90
  text "SPI_SS" at 123.52,85.599 h1.5 r90
  text "I2C_SDA" at 113.22,85.499 h1.5 r90
  text "I2C_SCL" at 115.82,85.499 h1.5 r90
  text "SPI_CLK" at 121.02,85.499 h1.5 r90
  text "VOUT_P" at 151.5,83.18 h1.5
  text "GPIO5" at 121.095,80.9 h1.5 r90
  text "GPIO6" at 123.495,80.9 h1.5 r90
  text "GPIO3" at 115.795,80.8 h1.5 r90
  text "GPIO4" at 118.495,80.8 h1.5 r90
  text "5v" at 113.288,79.4 h1.5 r90
  text "GND" at 151.5,77.905 h1.5
  text "ADC_7" at 67.6,75.48 h1.5
  text "GND" at 62.1,75.405 h1.5
  text "GND" at 101,73.805 h1.5
  text "3v3" at 113.295,71.499 h1.5 r90
  text "GPIO0" at 115.795,71.5 h1.5 r90
  text "GPIO1" at 118.497,71.5 h1.5 r90
  text "GPIO2" at 120.895,71.5 h1.5 r90
  text "GND" at 123.495,71.5 h1.5 r90
  text "3v3" at 151.499,69.205 h1.5
  text "NDAC VSS" at 120.399,65.005 h1.5
  text "GND" at 151.5,63.705 h1.5
  text "V_USB" at 30.82,63.6 h1.5 r90
  text "GND" at 26.795,63.5 h1.5 r90
  text "GND" at 128.3,60.305 h1.5
  text "VN_SW" at 124,60.28 h1.5
  text "2v5" at 151.499,55.305 h1.5
  text "VM4" at 99.5,51.305 h1.5
  text "U5_Switch" at 107.399,50.965 h1.5
  text "VN_SW" at 124.5,50.18 h1.5
  text "GND" at 151.5,49.905 h1.5
  text "GND" at 106.8,43.005 h1.5
  text "5V" at 82.6,41.612 h1.5
  text "VOUT_N" at 151.5,41.08 h1.5
  text "U5_Switch" at 124.399,38.965 h1.5
Top Solder:
  text "USBC Power Supply v1" at 28.1,37.421 h2
  text "April 2026" at 37.899,35.813 h1.5
Mechanical 1:
  lines w0.01: 32.901,28.651 37.75,33.5 cw(c38.25,33) 38.25,33.707 139.5,33.707 cw(c139.5,33) 140,33.5 144.851,28.649 ; 32.902,28.65 cw(c32.538,29.01) 32.575,28.5 25.75,28.5 cw(c25.75,29) 25.25,29 25.25,101.25 cw(c25.75,101.25) 25.75,101.75 32.573,101.75 cw(c32.537,101.24) 32.9,101.6 37.75,96.75 ccw(c38.25,97.25) 38.25,96.543 139.5,96.543 ccw(c139.5,97.25) 140,96.75 144.85,101.6 cw(c145.213,101.24) 145.177,101.75 152,101.75 cw(c152,101.25) 152.5,101.25 152.5,29 cw(c152,29) 152,28.5 145.177,28.5 cw(c145.213,29.01) 144.85,28.65

## Text inside footprints (layer, text, board x,y; h text height)
U6: Top Overlay "*" at 101.449,62.826 h1.5 r180; Mechanical 13 "*" at 100.136,63.846 h1.27 r180
U13: Mechanical 13 "*" at 134.857,44.93 h1.27 r90; Bottom Overlay "*" at 133.689,46.296 h1.5 r90